# Altium PCB vme64x6U_ctrlc.PcbDoc (part 13 of 18) (continued)
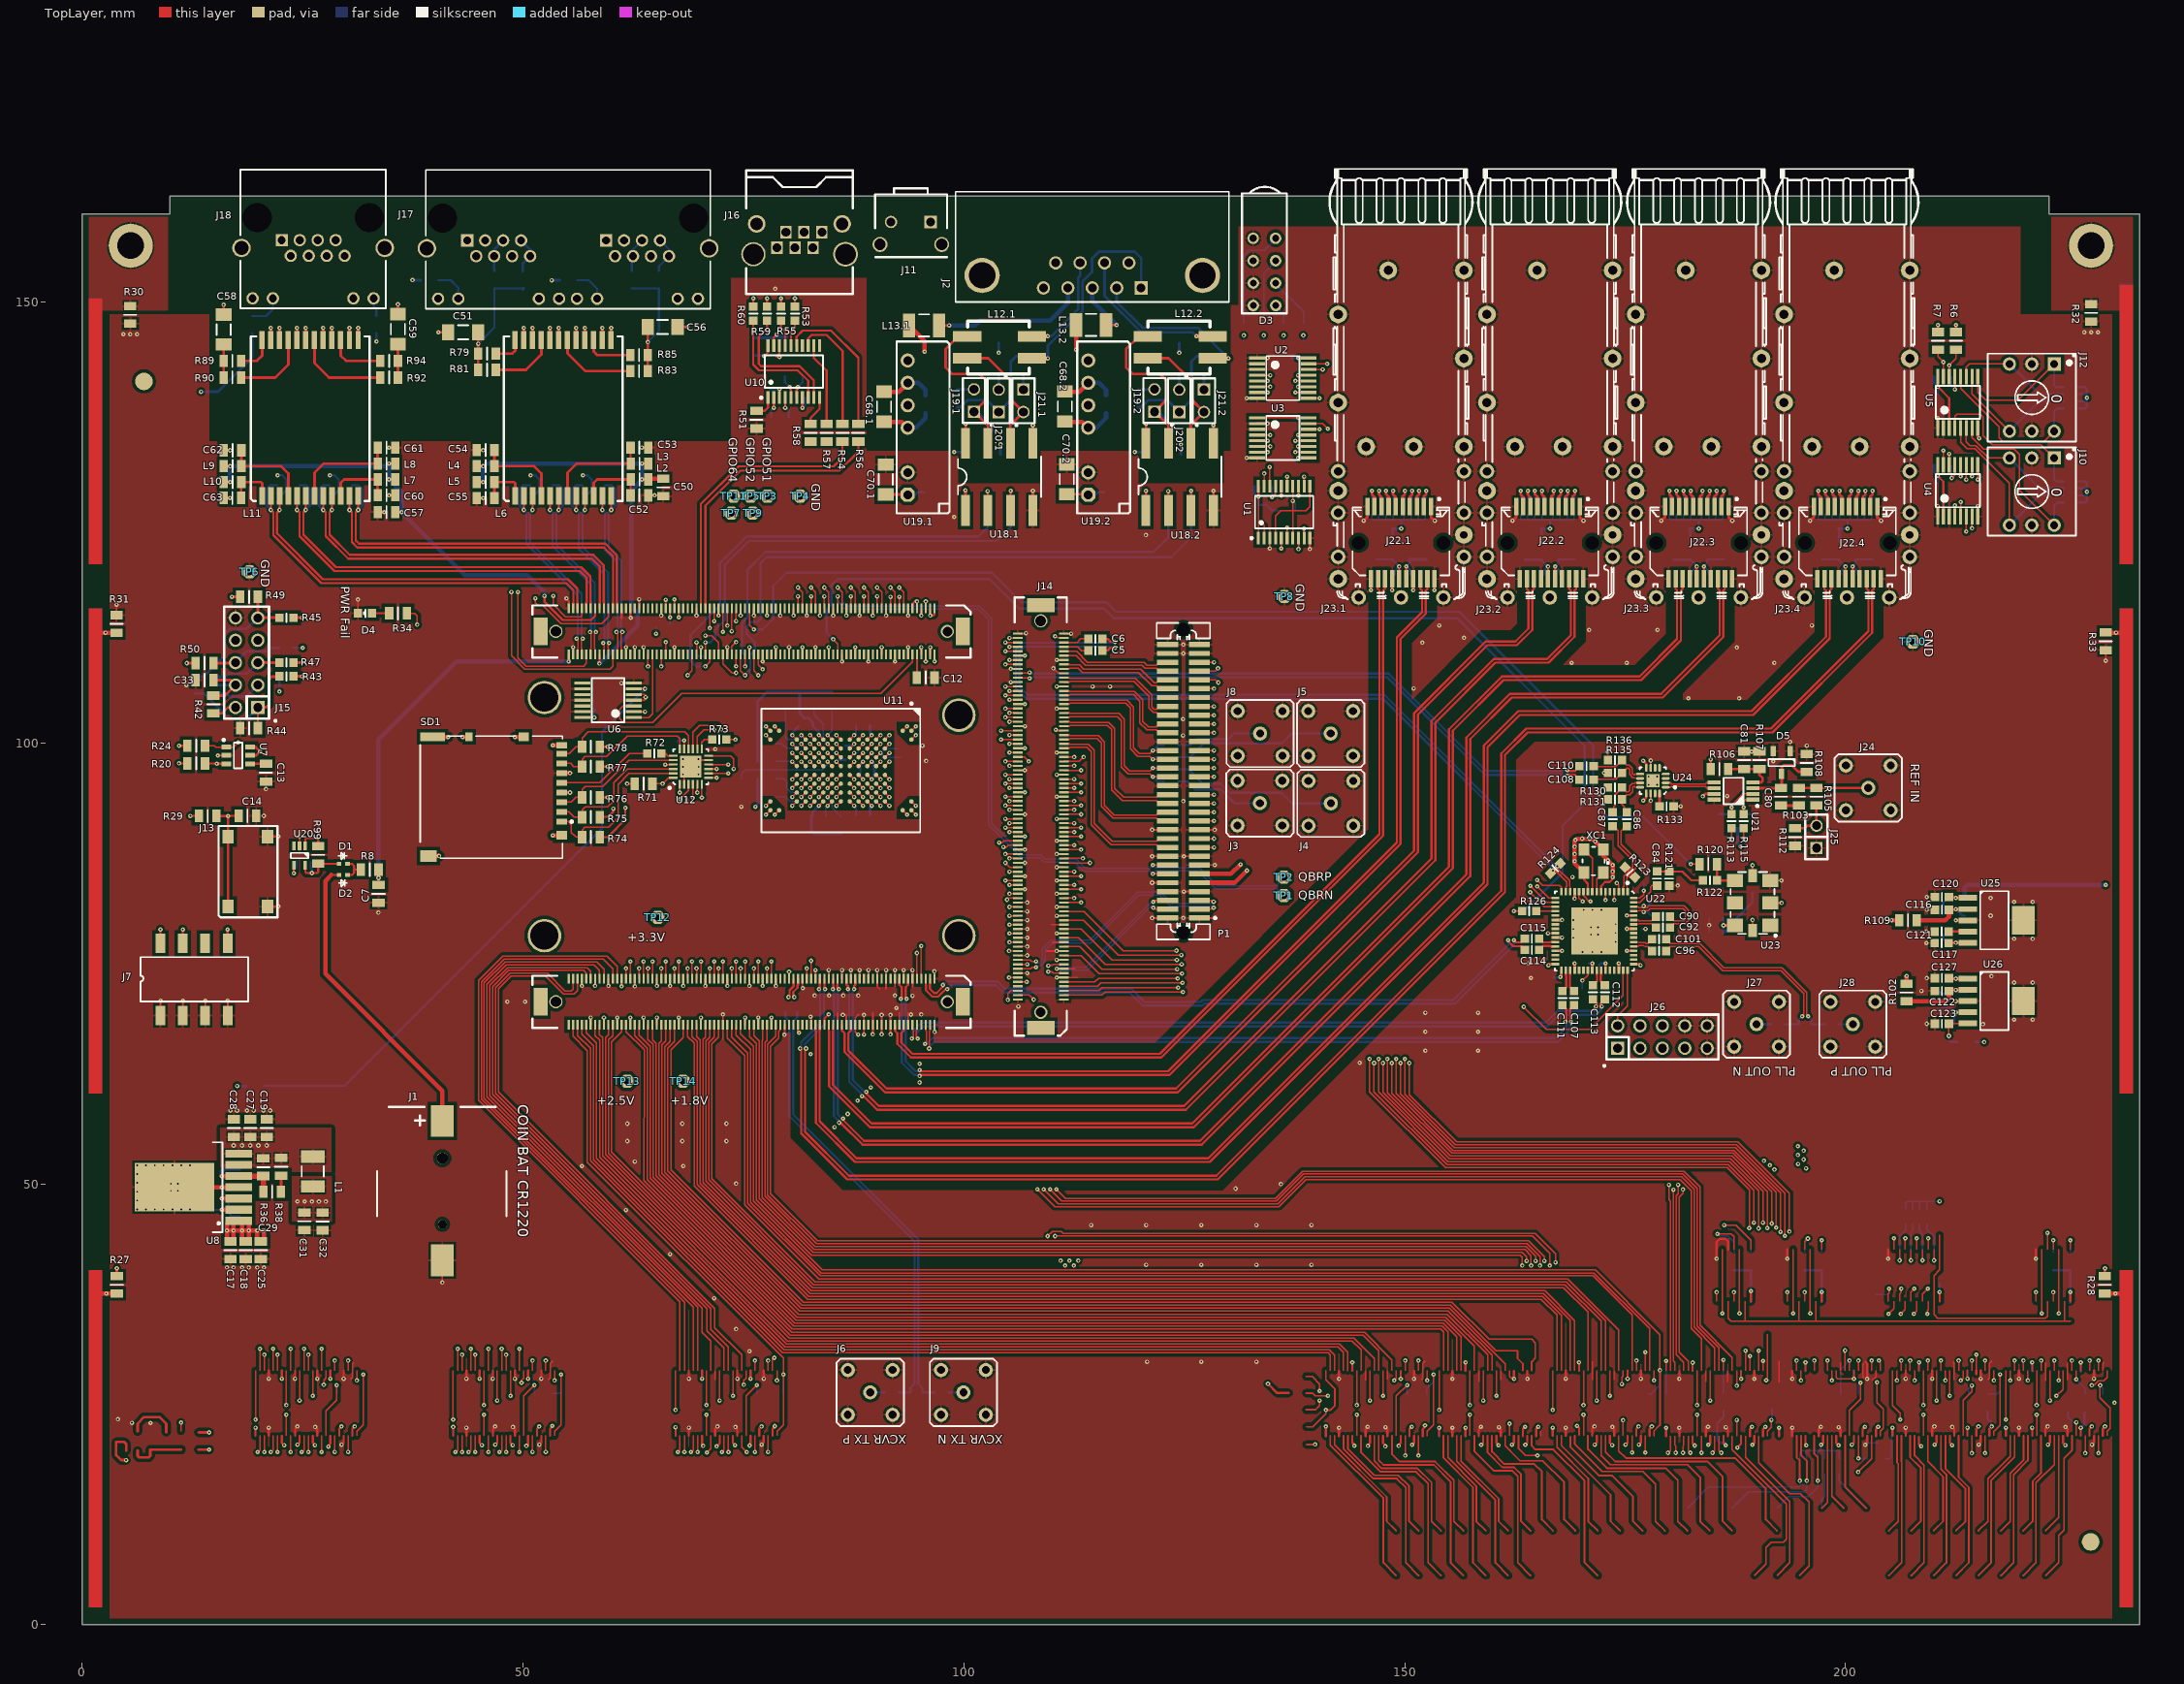
[diagram p0: TopLayer view]
## Nets (pads, with @x,y where several pads share a name; then routed paths per layer and width w, separated by ;. In a path a pad name is that pad's centre, name@x,y a point inside that pad or via, vN(x,y) a via of type N, cw(c..) or ccw(c..) an arc to the next point about the centre after c; other vN are vias at no path point) (continued)
  BottomLayer w0.25: 19.65,21.475 v1(19.65,22.35) ; v1(22.65,27.9) 22.65,28.65 ; v1(28.15,27.9) 28.15,28.65 ; 42.075,21.475 v1@42.075,22.35 ; v1(45.075,27.9) 45.075,28.65 ; v1(50.575,27.9) 50.575,28.65 ; C49.1@54.375,94.675 54.675,94.375 v1(55.325,94.375) ; 67.3,21.475 v1(67.3,22.4) ; C40.1@67.625,100.275 v1(68.275,100.275) ; v1(70.3,27.9) 70.3,28.65 ; v1(75.8,27.9) 75.8,28.65 ; v1(133.4,127.95) C1.1@133.4,127 134.325,127 134.95,126.375 R3.2@135.6,126.375 ; 141.05,21.45 v1@141.05,22.325 ; v1(144.05,29.75) 144.1,29.7 144.1,28.8 ; v1(149.55,27.875) 149.55,28.625 ; 149.605,125.175 v1(149.605,124.3) C73.1.2@148.55,124.3 148.655,124.195 L14.1.1@148.655,122.825 L15.1.1@150.53,122.825 ; 153.9,21.45 v1(153.9,22.325) ; 156.9,28.85 v1(156.9,29.75) ; v1(162.4,27.875) 162.4,28.625 ; 166.48,125.175 v1(166.48,124.3) C73.2.2@165.425,124.3 165.53,124.195 L14.2.1@165.53,122.825 L15.2.1@167.405,122.825 ; 166.775,21.475 v1(166.775,22.35) ; 169.775,28.85 v1(169.775,29.75) ; v1(175.275,27.9) 175.275,28.65 ; 179.65,21.45 v1(179.65,22.325) ; 182.65,28.825 v1(182.65,29.725) ; 183.355,125.175 v1(183.355,124.3) C73.3.2@182.3,124.3 182.405,124.195 L14.3.1@182.405,122.825 L15.3.1@184.28,122.825 ; 186.15,24.275 186.15,23.56 185.435,22.845 185.435,20.97 185.78,20.625 186.4,20.625 ; 187.325,40.2 189.275,40.2 189.275,36.6 ; v1(188.15,27.875) 188.15,28.625 ; 192.45,21.45 v1(192.45,22.325) ; 195.35,40.2 197.3,40.2 v1(197.3,37.725) 197.3,36.6 ; 195.45,28.75 195.5,28.8 ; 195.45,28.85 v1(195.45,29.75) ; 200.23,125.175 v1(200.23,124.3) 199.175,124.3 199.28,124.195 L14.4.1@199.28,122.825 L15.4.1@201.155,122.825 ; 200.875,28.8 200.95,28.875 ; v1(200.95,27.875) 200.95,28.625 ; 205.325,21.475 v1(205.325,22.35) ; 208.325,29 v1(208.325,29.75) ; v1(210.675,37.725) 210.675,38.7 ; v1(212.507,73.265) 212.792,73.55 C126.2@213.625,73.55 ; v1(213.825,27.9) 213.825,28.65 ; R104.2@214.7,66.075 v1(215.725,66.075) ; 216.1,24.175 216.1,23.375 216.5,22.975 v1@216.5,22.25 ; v1@218.175,22.475 v1(218.175,22.35) 218.175,21.475 218.2,21.45 ; v1(221.175,29.75) 221.175,28.875 221.275,28.775 ; 223.55,40.2 225.5,40.2 v1(225.5,37.725) 225.5,36.525 ; R17.8@226.425,127.275 227.2,127.275 227.375,127.45 227.375,128.1 ; R17.7@226.425,128.075 227.35,128.075 227.375,128.1 ; R17.6@226.425,128.875 227.35,128.875 227.375,128.9 ; R17.5@226.425,129.675 227.175,129.675 227.375,129.475 227.375,128.9 ; R21.8@226.425,137.95 227.2,137.95 227.375,138.125 227.375,138.775 ; R21.7@226.425,138.75 227.35,138.75 227.375,138.775 ; R21.6@226.425,139.55 227.35,139.55 227.375,139.575 ; R21.5@226.425,140.35 227.175,140.35 227.375,140.15 227.375,139.575 ; v1(226.675,22.35) 227.075,22.75 227.075,23.975 227.225,24.125 ; 226.675,28.65 v1(226.675,29.75) ; 227.375,128.1 v1(227.375,128.475) 227.375,128.9 ; 227.375,138.775 v1(227.375,139.15) 227.375,139.575
  BottomLayer w0.3: v1(13.475,139.825) 15.4,139.825 19.275,143.7 R91.1@19.275,146.4 ; U9.5@15.435,106.56 J15.4@17.38,106.56 ; C11.2@18.75,98.6 19.75,98.6 v1(20.175,99.025) ; v1(22.375,105.825) R46.2@22.375,107.125 ; v1(33.375,145.525) R93.1@33.375,146.45 ; v1(37.46,152.485) R80.1@38.385,152.485 ; v1(53.25,152.475) R86.1@54.175,152.475 ; R52.2@76.26,145.935 78.41,145.935 v1(78.785,146.31) ; v1(76.35,92.775) 76.6,93.025 R68.1@76.6,93.925 R67.1@76.6,95.925 ; R61.1@76.6,97.925 R65.1@76.6,99.925 76.6,104.725 77.65,105.775 R63.1@79.75,105.775 81.375,105.775 ; C48.1@82.7,91.775 82.7,90.025 83.05,89.675 R66.1@86.125,89.675 ; C48.1@82.85,91.775 82.85,92.175 v1(83.55,92.875) ; v1(83.55,100.875) 83.55,101.225 C46.1@82.875,101.9 82.875,102.3 82.35,102.825 81.875,102.825 81.375,103.325 81.375,105.775 ; R62.1@85.05,105.775 R64.1@83,105.775 81.375,105.775 ; C47.1@86.575,99.675 87.35,99.675 v1(87.55,99.875) ; C45.1@89.35,91.8 89.35,92.675 v1(89.55,92.875) ; C43.1@89.35,102 89.35,101.075 v1(89.55,100.875) ; v1(89.55,95.875) 89.85,96.175 C44.1@89.85,96.9 89.85,97.575 v1(89.55,97.875) ; C66.1.2@100.175,127.625 v1(100.175,128.65) ; C66.2.2@120.65,127.45 v1(120.65,128.6) ; R1.1@132.95,129.125 132.95,128.275 133.275,127.95 v1(133.4,127.95) ; C3.1@137.2,136.875 v1(137.92,136.875) 139.05,136.875 R5.2@139.1,136.925 ; C2.1@137.2,143.675 139.125,143.675 R4.2@139.15,143.7 ; C82.1@186.125,80.15 186.125,78.5 C83.1@186.175,78.45 186.4,78.675 R118.1@187.525,78.675 ; R110.1@187.075,90.325 187.763,90.325 ; R118.1@187.675,78.675 187.675,80.125 189.425,81.875 R119.1@189.425,83.025 ; v1(188.1,88.25) 187.763,88.587 187.763,90.325 ; R116.1@188.45,90.325 187.763,90.325 ; R2.1@210.025,131.5 210.025,130.725 v1(210.45,130.3) C4.1@210.45,129.575 ; R10.1@210.025,141.55 210.025,140.825 v1(210.45,140.4) C10.1@210.45,139.625
  BottomLayer w0.5: v1(78.785,146.31) 79.01,146.085 C38.2@79.86,146.085
  other v1: 78.55,22.525 53.325,22.55 26.85,47.98 27.625,47.98 24.425,48.005 25.225,48.005 26.06,47.99
+3V3MOD: C15.2 J14.A26 J14.A29 J14.A50 J14.A86 J14.B55 J14.B79 J14.B115 J14.B127 J14.B152 J14.B155 J14.C96 J14.C103 J14.C136 J14.C143 TP12.1 U6.14 | length 13.7
  TopLayer w0.15: J14.B55@83.175,73.25 v1(83.175,74.25) ; J14.C96@106.125,94.4 v1(106.925,94.4) ; J14.C136@106.125,104.4 v1(106.925,104.4) ; v1(110.525,96.4) J14.C103@111.325,96.4 ; v1(110.525,106.4) J14.C143@111.325,106.4
  TopLayer w0.2: v1(58.175,72.45) J14.B155@58.175,73.25 ; J14.B152@59.175,68.05 v1(59.175,68.85) ; v1(65.175,72.45) J14.B127@65.175,73.25 ; v1(68.175,72.45) J14.B115@68.175,73.25 ; J14.A86@75.675,110.05 v1(75.675,110.85) ; v1(77.175,72.45) J14.B79@77.175,73.25 ; J14.A50@84.675,110.05 v1(84.675,110.85) ; v1(89.675,114.45) J14.A29@89.675,115.25 ; J14.A26@90.675,110.05 v1(90.675,110.85)
  TopLayer w0.25: U6.14@56.72,102.89 v1(58.09,102.89)
  BottomLayer w0.25: v1(58.09,102.89) C15.2@58.09,103.8
+5V_CAN_U_can_phy1: C65.1.2 C67.1.2 C68.1.2 U18.1.8 U19.1.6 | length 9.5
  TopLayer w0.3: U18.1.8@100.175,133.975 100.2,134 v1(100.2,136.175)
  TopLayer w0.5: C68.1.2@90.95,139.825 92.614,139.825 U19.1.6@93.624,140.835
  BottomLayer w0.3: C67.1.2@100.2,135 v1(100.2,136.175)
  BottomLayer w0.5: U19.1.6@93.624,140.835 94.84,140.835 95.65,140.025 C65.1.2@95.65,139.4
+5V_CAN_U_can_phy2: C65.2.2 C67.2.2 C68.2.2 U18.2.8 U19.2.6 | length 9.5
  TopLayer w0.3: U18.2.8@120.65,133.975 120.675,134 v1(120.675,136.175)
  TopLayer w0.5: C68.2.2@111.425,139.825 113.089,139.825 U19.2.6@114.099,140.835
  BottomLayer w0.3: C67.2.2@120.675,135 v1(120.675,136.175)
  BottomLayer w0.5: U19.2.6@114.099,140.835 115.315,140.835 116.125,140.025 C65.2.2@116.125,139.4
+5VME: C17.1 C18.1 C22.2 C23.2 C24.2 C25.2 C69.1.2 C69.2.2 C70.1.2 C70.2.2 C119.2 C120.2 J14.A1 J14.A2 J14.A3 J14.A4 J14.A5 J14.A6 J14.A7 J14.A8 J14.A9 J14.A11 R114.2 U8.1 U19.1.1 U19.2.1 U25.1 | length 60.5
  TopLayer w0.2: J14.A9@94.675,115.25 v1(94.675,116.05) ; J14.A8@95.175,110.05 v1(95.175,110.85) ; v1(95.175,114.45) J14.A7@95.175,115.25 ; v1(95.675,109.25) J14.A6@95.675,110.05 ; J14.A5@95.675,115.25 v1(95.675,116.05) ; J14.A4@96.175,110.05 v1(96.175,110.85) ; v1(96.175,114.45) J14.A3@96.175,115.25 ; v1(96.675,109.25) J14.A2@96.675,110.05
  TopLayer w0.25: J14.A11@94.175,115.25 94.175,115.775 94.45,116.05 v1(94.675,116.05) ; v1(96.175,114.45) 96.525,114.45 96.675,114.6 J14.A1@96.675,115.25
  TopLayer w0.3: C70.1.2@91.15,128.175 93.584,128.175 U19.1.1@93.624,128.135 ; C70.2.2@111.675,128.2 114.034,128.2 U19.2.1@114.099,128.135 ; C120.2@211.725,82.525 212.507,82.525 v1(212.507,82.423) U25.1@213.875,82.423
  TopLayer w0.5: C17.1@16.41,43.485 v1(16.41,44.71) 16.41,45.585 U8.1@16.61,45.785 ; C17.1@17.16,43.485 v1(17.16,44.71) U8.1@17.16,45.585 ; C18.1@18.135,43.485 v1(18.135,44.71) U8.1@18.135,45.66 ; C18.1@18.885,43.485 v1(18.885,44.71) U8.1@18.885,45.685 ; C25.2@19.86,43.485 v1(19.86,44.71) ; C25.2@20.61,43.485 v1(20.61,44.71)
  BottomLayer w0.25: R114.2@211.05,80.725 211.05,81.825 211.648,82.423 v1(212.507,82.423)
  BottomLayer w0.3: U19.1.1@93.624,128.135 94.435,128.135 94.725,128.425 C69.1.2@95.45,128.425 ; U19.2.1@114.099,128.135 114.91,128.135 115.2,128.425 C69.2.2@115.925,128.425 ; v1(212.507,82.423) 212.522,82.408 C119.2@213.525,82.408
  BottomLayer w0.5: v1(16.41,44.71) 16.41,43.885 C24.2@16.81,43.485 17.16,43.835 v1(17.16,44.71) ; v1(18.135,44.71) 18.135,43.885 C22.2@18.535,43.485 18.885,43.835 v1(18.885,44.71) ; v1(19.86,44.71) 19.86,43.885 C23.2@20.26,43.485 20.61,43.835 v1(20.61,44.71) ; C119.2@213.525,82.408 213.525,83.6 213.825,83.9 v1(229.5,83.9)
+5VSTBY: C71.2 U20.4 | length 211.2
  TopLayer w0.25: v1(24,85.225) U20.4@24,86.125
  MidLayer3 w0.5: v1(24,85.225) 24,76.05 13.55,65.6 13.55,17.5 14.95,16.1 135.625,16.1 142.3,9.425 145.185,9.425 146.49,8.12
  BottomLayer w0.25: v1(24,85.225) 24,85.6 24.3,85.9 C71.2@24.3,86.55
AQ1_N: C110.1 R136.2 U24.9 | length 6.6
  TopLayer w0.15: C110.1@171.425,97.325 173.925,97.325 R136.2@174.65,98.05 174.725,97.975 174.725,97.95 175.2,97.475 175.485,97.475 175.825,97.135 175.825,96.562 176,96.387 176.088,96.387 176.175,96.475 U24.9@176.7,96.475
AQ1_P: C108.1 R135.2 U24.10 | length 6.6
  TopLayer w0.15: C108.1@171.425,95.875 173.925,95.875 R135.2@174.65,96.6 175.2,97.15 175.35,97.15 175.5,97 175.5,96.428 175.865,96.062 176.088,96.062 176.175,95.975 U24.10@176.7,95.975
BaseAddr0: J10.1 R17.4 U5.4 | length 19.5
  TopLayer w0.15: U5.4@212.4,135.705 212.4,137.05 212.65,137.3 215.25,137.3 215.6,136.95 215.6,134.85 216.622,133.828 222.157,133.828 J10.1@223.665,132.32
  BottomLayer w0.25: J10.1@223.665,132.295 223.665,129.91 223.9,129.675 R17.4@224.725,129.675
BaseAddr1: J10.2 R17.2 U5.5 | length 21.4
  TopLayer w0.15: U5.5@213.05,135.705 213.05,134.1 213.775,133.375 214.672,133.375 218.585,129.462 J10.2@218.585,124.7
  BottomLayer w0.25: J10.2@218.585,124.675 221.985,128.075 R17.2@224.725,128.075
BaseAddr2: J10.4 R17.3 U5.6 | length 14.8
  TopLayer w0.15: U5.6@213.7,135.705 213.7,134.125 214.1,133.725 214.775,133.725 216.18,132.32 J10.4@218.585,132.32
  BottomLayer w0.25: J10.4@218.585,132.295 222.005,128.875 R17.3@224.725,128.875
BaseAddr3: J10.8 R17.1 U5.7 | length 20.4
  TopLayer w0.15: U5.7@214.35,135.705 214.35,134.625 215.65,133.325 219.125,133.325 219.725,132.725 219.725,128.64 J10.8@223.665,124.7
  BottomLayer w0.25: J10.8@223.665,124.675 223.665,126.94 224,127.275 R17.1@224.725,127.275
BaseAddr4: J12.1 R21.4 U5.9 | length 16.1
  TopLayer w0.15: U5.9@215,141.545 215,139.775 215.925,138.85 219.545,138.85 J12.1@223.665,142.97
  BottomLayer w0.25: J12.1@223.665,142.97 223.665,140.585 223.9,140.35 R21.4@224.725,140.35
BaseAddr5: J12.2 R21.2 U5.10 | length 15.5
  TopLayer w0.15: U5.10@214.35,141.545 214.35,139.585 J12.2@218.585,135.35
  BottomLayer w0.25: J12.2@218.585,135.35 221.985,138.75 R21.2@224.725,138.75
BaseAddr6: J12.4 R21.3 U5.11 | length 13.6
  TopLayer w0.15: U5.11@213.7,141.545 213.7,142.6 214.07,142.97 J12.4@218.585,142.97
  BottomLayer w0.25: J12.4@218.585,142.97 222.005,139.55 R21.3@224.725,139.55
BaseAddr7: J12.8 R21.1 U5.12 | length 19.1
  TopLayer w0.15: U5.12@213.05,141.545 213.05,140.2 217.4,135.85 217.4,134.625 217.825,134.2 222.515,134.2 J12.8@223.665,135.35
  BottomLayer w0.25: J12.8@223.665,135.35 223.665,137.615 224,137.95 R21.1@224.725,137.95
BOOT_MODE0: J7.7 J14.A126 | length 73.7
  TopLayer w0.15: v1(65.675,108.675) J14.A126@65.675,110.05
  TopLayer w0.25: J7.7@11.41,77.275 v1(11.41,78.845)
  MidLayer3 w0.15: v1(11.41,78.845) 11.41,81.064 32.771,102.425 57.855,102.425 57.885,102.395 64.145,102.395 65.675,103.925 v1(65.675,108.675)
BOOT_MODE1: J7.8 J14.A112 | length 79.3
  TopLayer w0.15: v1(68.675,107.675) 69.175,108.175 J14.A112@69.175,110.05
  TopLayer w0.25: J7.8@8.87,77.275 v1(8.87,78.845)
  MidLayer3 w0.15: v1(8.87,78.845) 9.715,78 12.125,78 12.825,78.7 12.825,81.807 32.968,101.95 64.45,101.95 66.45,103.95 66.45,105.45 v1(68.675,107.675)
CAN0_G: J2.3 L13.2.1 | length 6.3
  TopLayer w0.3: L13.2.1@116.125,147.4 v1(117.325,147.4)
  BottomLayer w0.5: J2.3@114.565,151.32 114.565,150.16 v1(117.325,147.4)
CAN0_H: J2.7 L12.2.1 | length 17.6
  TopLayer w0.5: v1(126.375,146.125) L12.2.1@128.175,146.125
  BottomLayer w0.3: J2.7@115.95,154.16 115.95,150.693 120.068,146.575 125.925,146.575 v1(126.375,146.125)
CAN0_L: J2.2 L12.2.4 | length 18.4
  TopLayer w0.5: L12.2.4@128.2,143.625 v1(130,143.625)
  BottomLayer w0.3: J2.2@117.335,151.32 117.335,150.015 120.275,147.075 126.55,147.075 v1(130,143.625)
CAN0_RX: J14.A88 R96.2.2 | length 64.2
  TopLayer w0.15: v1(75.175,108.675) J14.A88@75.175,110.05
  BottomLayer w0.25: v1(75.175,108.675) 75.175,109.975 74.85,110.3 74.85,113.625 75.45,114.225 75.45,119.612 77.513,121.675 121.525,121.675 123.175,123.325 R96.2.2@123.175,125.55
CAN0_TX: J14.A90 R98.2.2 | length 69.5
  TopLayer w0.15: J14.A90@74.675,110.05 74.675,108.175 v1(75.175,107.675)
  BottomLayer w0.25: v1(75.175,107.675) 75.775,108.275 75.775,109.975 76.3,110.5 76.3,111.425 75.375,112.35 75.375,113.175 75.925,113.725 76.6,113.725 76.925,114.05 76.925,120.375 77.625,121.075 123.525,121.075 125.775,123.325 R98.2.2@125.775,125.6
CAN1_G: J2.4 L13.1.1 | length 17.1
  TopLayer w0.3: L13.1.1@97.175,147.35 v1(98.325,147.35)
  BottomLayer w0.5: v1(98.325,147.35) 101.275,147.35 101.825,147.9 109.775,147.9 111.795,149.92 J2.4@111.795,151.32
CAN1_H: J2.8 L12.1.1 | length 11.8
  TopLayer w0.5: L12.1.1@107.725,146.125 v1(109.525,146.125)
  BottomLayer w0.3: v1(109.525,146.125) 109.9,146.125 112.95,149.175 112.95,152.725 113.18,152.955 J2.8@113.18,154.44
CAN1_L: J2.1 L12.1.4 | length 25.1
  TopLayer w0.5: L12.1.4@107.725,143.625 v1(109.525,143.625)
  BottomLayer w0.3: v1(109.525,143.625) 109.525,145.043 113.45,148.968 113.45,152.325 114.525,153.4 114.525,154.925 115.325,155.725 119.375,155.725 120.105,154.995 J2.1@120.105,151.6 J2.1@120.105,151.32
CAN1_RX: J14.A104 R96.1.2 | length 49.1
  TopLayer w0.15: v1(70.675,108.675) 71.175,109.175 J14.A104@71.175,110.05
  BottomLayer w0.25: v1(70.675,108.675) 69.65,108.675 69,109.325 69,112.275 72.325,115.6 72.325,120.367 75.383,123.425 101.675,123.425 102.7,124.45 R96.1.2@102.7,125.55
CAN1_TX: J14.A106 R98.1.2 | length 46.7
  TopLayer w0.15: J14.A106@70.675,110.05 v1(70.675,111.4)
  BottomLayer w0.25: v1(70.675,111.4) 71.2,111.4 71.775,111.975 71.775,112.825 72.9,113.95 72.9,120.2 75.6,122.9 103.7,122.9 105.3,124.5 R98.1.2@105.3,125.6
CAN_GND_U_can_phy1: C64.1.1 C65.1.1 C67.1.1 C68.1.1 L13.1.2 U17.1.3 U18.1.5 U19.1.4 | length 15.2
  TopLayer w0.3: U18.1.5@107.825,133.95 U18.1.5@107.825,133.975 v1@107.825,135.975
  TopLayer w0.5: C68.1.1@90.95,136.425 92.954,136.425 U19.1.4@93.624,135.755 ; L13.1.2@93.775,147.35 95.55,145.575 v1(95.55,144.375)
  BottomLayer w0.3: v1(98.9,133) C67.1.1@100.2,133 ; v1(103.95,144.25) C64.1.1@103.95,145.325 ; U17.1.3@104.15,132.725 v1(104.15,133.85)
  BottomLayer w0.5: U19.1.4@93.624,135.755 94.555,135.755 95.65,136.85 C65.1.1@95.65,137.4
  other v1: 107.825,136.025
CAN_GND_U_can_phy2: C64.2.1 C65.2.1 C67.2.1 C68.2.1 L13.2.2 U17.2.3 U18.2.5 U19.2.4 | length 14.3
  TopLayer w0.3: U18.2.5@128.3,133.95 U18.2.5@128.3,133.975 v1@128.3,135.975
  TopLayer w0.5: C68.2.1@111.425,136.425 113.429,136.425 U19.2.4@114.099,135.755 ; v1(112.725,144.6) L13.2.2@112.725,147.4
  BottomLayer w0.3: v1(119.375,133) C67.2.1@120.675,133 ; v1(124.425,144.25) C64.2.1@124.425,145.325 ; U17.2.3@124.625,132.725 v1(124.625,133.85)
  BottomLayer w0.5: U19.2.4@114.099,135.755 115.03,135.755 116.125,136.85 C65.2.1@116.125,137.4
  other v1: 128.3,136.025
ChasisGND: R27.2 | length 3.4
  TopLayer w0.5: 1.8,37.55 v1(2.725,37.55) R27.2@3.925,37.55
  BottomLayer w0.5: 1.475,37.55 v1(2.725,37.55)
ChasisGND_T: R28.2 | length 3.4
  TopLayer w0.5: R28.2@229.425,37.55 231.55,37.55
  BottomLayer w0.5: v1(230.6,37.55) 231.85,37.55
CMP_CLK_N: U21.5 U24.2 | length 5.6
  TopLayer w0.15: U24.2@179.6,95.475 180.125,95.475 180.238,95.362 184.113,95.362 184.275,95.525 U21.5@185.1,95.525
CMP_CLK_P: U21.6 U24.1 | length 5.6
  TopLayer w0.15: U24.1@179.6,94.975 180.125,94.975 180.188,95.037 184.113,95.037 184.275,94.875 U21.6@185.1,94.875
CMP_REF: C81.1 R106.1 R107.2 U21.4 | length 6.2
  TopLayer w0.3: R106.1@186.7,97.05 C81.1@188.5,97.05 R107.2@190.225,97.05 190.225,96.375 190.6,96 190.6,95.7 190.425,95.525 U21.4@189.5,95.525
CMP_SIG: C80.1 D5.3 R108.1 U21.3 | length 8.8
  TopLayer w0.3: U21.3@189.5,94.875 192.65,94.875 C80.1@192.675,94.9 192.75,94.975 D5.3@192.75,96.475 192.75,97.225 193,97.475 193.9,97.475 194.65,96.725 R108.1@195.6,96.725
COM_CTS_DEV_O: R60.1 U10.8 | length 13.9
  TopLayer w0.25: R60.1@76.11,147.903 76.11,142.91 76.76,142.26 81.135,142.26 82.335,141.06 U10.8@82.335,139.16
COM_RTS_DEV_I: R59.1 U10.9 | length 14.3
  TopLayer w0.25: R59.1@77.685,147.903 77.685,147.06 76.73,146.105 76.73,142.993 76.993,142.73 81.393,142.73 82.985,141.138 U10.9@82.985,139.16
COM_RX_DEV_O: R55.1 U10.17 | length 3
  TopLayer w0.25: R55.1@79.26,147.903 79.26,147.11 79.735,146.635 U10.17@79.735,145.06
COM_TX_DEV_I: R53.1 U10.16 | length 3
  TopLayer w0.25: U10.16@80.385,145.06 80.385,146.61 80.835,147.06 R53.1@80.835,147.903
EMMC_CLK: R73.2 U11.P6 | length 14.4
  TopLayer w0.15: R73.2@73.05,100.375 v1(74.1,100.375) ; v1(80.55,95.875) U11.P6@81.05,96.375
  MidLayer3 w0.15: v1(74.1,100.375) 72.725,99 72.725,96.25 72.995,95.98 76.395,95.98 76.5,95.875 v1(80.55,95.875)
EMMC_CMD: R61.2 U11.P5 U12.12 | length 13.8
  TopLayer w0.15: U12.12@71.025,98.55 73.525,98.55 73.9,98.175 v1(73.9,97.05) ; v1(80.55,97.875) U11.P5@81.05,97.375
  MidLayer3 w0.15: v1(73.9,97.05) 76.575,97.05 77.4,97.875 v1(80.55,97.875)
  BottomLayer w0.15: R61.2@78.6,97.925 80.5,97.925 v1(80.55,97.875)
EMMC_D0: R62.2 U11.K2 U12.14 | length 21.1
  TopLayer w0.15: U12.14@69.775,99.3 69.775,100.725 70.525,101.475 v1(71.675,101.475) ; v1(84.55,100.875) U11.K2@85.05,100.375
  MidLayer3 w0.15: v1(71.675,101.475) 72.325,102.125 73.925,102.125 74.675,101.375 84.05,101.375 v1(84.55,100.875)
  BottomLayer w0.15: v1(84.55,100.875) 85.05,101.375 R62.2@85.05,103.775
EMMC_D1: R63.2 U11.N2 U12.15 | length 21.3
  TopLayer w0.15: U12.15@69.275,99.3 69.275,101.225 70.05,102 72.025,102 v1(72.5,101.525) ; v1(81.55,100.875) U11.N2@82.05,100.375
  MidLayer3 w0.15: v1(72.5,101.525) 72.9,101.125 74.275,101.125 75.025,100.375 81.05,100.375 v1(81.55,100.875)
  BottomLayer w0.15: R63.2@79.75,103.775 79.75,100.7 80.075,100.375 81.05,100.375 v1(81.55,100.875)
EMMC_D2: R64.2 U11.K3 U12.8 | length 21.2
  TopLayer w0.15: U12.8@71.025,96.55 v1(73.275,96.55) ; v1(84.55,99.875) U11.K3@85.05,99.375
  MidLayer3 w0.15: v1(73.275,96.55) 76.625,96.55 77.45,97.375 83.875,97.375 84.062,97.562 84.062,97.662 84.055,97.67 84.055,99.38 v1(84.55,99.875)
  BottomLayer w0.15: R64.2@83,103.775 83,103.175 84.045,102.13 84.045,100.38 v1(84.55,99.875)
EMMC_D3: R65.2 U11.N3 U12.10 | length 15.6
  TopLayer w0.15: U12.10@71.025,97.55 v1(73.275,97.55) ; v1(81.55,99.875) U11.N3@82.05,99.375
  MidLayer3 w0.15: v1(73.275,97.55) 76.55,97.55 78.375,99.375 81.05,99.375 v1(81.55,99.875)
  BottomLayer w0.15: R65.2@78.6,99.925 79.4,99.925 79.945,99.38 81.055,99.38 v1(81.55,99.875)
EMMC_D4: R66.2 U11.K8 | length 3.6
  TopLayer w0.15: v1(84.55,93.875) U11.K8@85.05,94.375
  BottomLayer w0.15: v1(84.55,93.875) 85.05,93.375 85.05,92.675 86.05,91.675 R66.2@86.125,91.675
EMMC_D5: R67.2 U11.N8 | length 5
  TopLayer w0.15: v1(81.55,93.875) U11.N8@82.05,94.375
  BottomLayer w0.15: R67.2@78.6,95.925 79.6,95.925 79.9,95.625 79.9,94.825 80.345,94.38 81.045,94.38 v1(81.55,93.875)
EMMC_D6: R68.2 U11.N9 | length 4.1
  TopLayer w0.15: v1(81.55,92.875) U11.N9@82.05,93.375
  BottomLayer w0.15: R68.2@78.6,93.925 79.775,93.925 80.325,93.375 81.05,93.375 v1(81.55,92.875)
EMMC_D7: R69.2 U11.K9 | length 2
  TopLayer w0.15: v1(84.55,92.875) U11.K9@85.05,93.375
  BottomLayer w0.15: R69.2@84.325,91.675 84.325,92.65 v1(84.55,92.875)
EMMC_DS: R70.2 U11.K5 | length 11.9
  TopLayer w0.15: v1(84.55,97.875) U11.K5@85.05,97.375
  BottomLayer w0.15: R70.2@74.75,95.875 74.75,96.475 75.225,96.95 83.925,96.95 84.55,97.575 v1(84.55,97.875)
EMMC_RFU1: U11.A1 | length 0.7
  TopLayer w0.15: U11.A1@94.05,101.375 v1(94.55,101.875)
EMMC_RFU2: U11.A2 | length 0.7
  TopLayer w0.15: U11.A2@94.05,100.375 v1(94.55,100.875)
EMMC_RFU3: U11.A9 | length 0.7
  TopLayer w0.15: U11.A9@94.05,93.375 v1(94.55,92.875)
EMMC_RFU4: U11.A10 | length 0.7
  TopLayer w0.15: U11.A10@94.05,92.375 v1(94.55,91.875)
EMMC_RFU5: U11.B1 | length 0.7
  TopLayer w0.15: U11.B1@93.05,101.375 v1(93.55,101.875)
EMMC_RFU6: U11.B10 | length 0.7
  TopLayer w0.15: U11.B10@93.05,92.375 v1(93.55,91.875)
EMMC_RFU7: U11.T1 | length 0.7
  TopLayer w0.15: v1(78.55,101.875) U11.T1@79.05,101.375
EMMC_RFU8: U11.T10 | length 0.7
  TopLayer w0.15: v1(78.55,91.875) U11.T10@79.05,92.375
EMMC_RFU9: U11.U1 | length 0.7
  TopLayer w0.15: v1(77.55,101.875) U11.U1@78.05,101.375
EMMC_RFU10: U11.U2 | length 0.7
  TopLayer w0.15: v1(77.55,100.875) U11.U2@78.05,100.375
EMMC_RFU11: U11.U9 | length 0.7
  TopLayer w0.15: v1(77.55,92.875) U11.U9@78.05,93.375
EMMC_RFU12: U11.U10 | length 0.7
  TopLayer w0.15: v1(77.55,91.875) U11.U10@78.05,92.375
EMMC_RFU13: U11.D2 | length 0.7
  TopLayer w0.15: U11.D2@91.05,100.375 v1(91.55,100.875)
EMMC_RFU14: U11.D3 | length 0.7
  TopLayer w0.15: U11.D3@91.05,99.375 v1(91.55,99.875)
EMMC_RFU15: U11.D4 | length 0.7
  TopLayer w0.15: U11.D4@91.05,98.375 v1(91.55,98.875)
EMMC_RFU16: U11.D5 | length 0.7
  TopLayer w0.15: U11.D5@91.05,97.375 v1(91.55,97.875)
EMMC_RFU17: U11.D6 | length 0.7
  TopLayer w0.15: U11.D6@91.05,96.375 v1(91.55,95.875)
EMMC_RFU18: U11.D7 | length 0.7
  TopLayer w0.15: U11.D7@91.05,95.375 v1(91.55,94.875)
EMMC_RFU19: U11.D8 | length 0.7
  TopLayer w0.15: U11.D8@91.05,94.375 v1(91.55,93.875)
EMMC_RFU20: U11.D9 | length 0.7
  TopLayer w0.15: U11.D9@91.05,93.375 v1(91.55,92.875)
EMMC_RFU21: U11.E2 | length 0.7
  TopLayer w0.15: U11.E2@90.05,100.375 v1(90.55,100.875)
EMMC_RFU22: U11.E3 | length 0.7
  TopLayer w0.15: U11.E3@90.05,99.375 v1(90.55,99.875)
EMMC_RFU23: U11.E5 | length 0.7
  TopLayer w0.15: U11.E5@90.05,97.375 v1(90.55,97.875)
EMMC_RFU24: U11.E6 | length 0.7
  TopLayer w0.15: U11.E6@90.05,96.375 v1(90.55,95.875)
EMMC_RFU25: U11.E7 | length 0.7
  TopLayer w0.15: U11.E7@90.05,95.375 v1(90.55,94.875)
EMMC_RFU26: U11.E8 | length 0.7
  TopLayer w0.15: U11.E8@90.05,94.375 v1(90.55,93.875)
EMMC_RFU27: U11.E9 | length 0.7
  TopLayer w0.15: U11.E9@90.05,93.375 v1(90.55,92.875)
EMMC_RFU28: U11.H5 | length 0.7
  TopLayer w0.15: U11.H5@87.05,97.375 v1(87.55,97.875)
EMMC_RFU29: U11.H6 | length 0.7
  TopLayer w0.15: U11.H6@87.05,96.375 v1(87.55,95.875)
EMMC_RFU30: U11.H7 | length 0.7
  TopLayer w0.15: U11.H7@87.05,95.375 v1(87.55,94.875)
EMMC_RFU31: U11.J2 | length 0.7
  TopLayer w0.15: v1(85.55,100.875) U11.J2@86.05,100.375
EMMC_RFU32: U11.J3 | length 0.7
  TopLayer w0.15: v1(85.55,99.875) U11.J3@86.05,99.375
EMMC_RFU33: U11.J4 | length 0.7
  TopLayer w0.15: v1(85.55,98.875) U11.J4@86.05,98.375
EMMC_RFU34: U11.J6 | length 0.7
  TopLayer w0.15: v1(85.55,95.875) U11.J6@86.05,96.375
EMMC_RFU35: U11.J7 | length 0.7
  TopLayer w0.15: v1(85.55,94.875) U11.J7@86.05,95.375
EMMC_RFU36: U11.J8 | length 0.7
  TopLayer w0.15: v1(85.55,93.875) U11.J8@86.05,94.375
EMMC_RFU37: U11.J9 | length 0.7
  TopLayer w0.15: v1(85.55,92.875) U11.J9@86.05,93.375
EMMC_RFU38: U11.K4 | length 0.7
  TopLayer w0.15: v1(84.55,98.875) U11.K4@85.05,98.375
EMMC_RFU39: U11.K6 | length 0.7
  TopLayer w0.15: v1(84.55,95.875) U11.K6@85.05,96.375
EMMC_RFU40: U11.K7 | length 0.7
  TopLayer w0.15: v1(84.55,94.875) U11.K7@85.05,95.375
EMMC_RFU41: U11.L5 | length 0.7
  TopLayer w0.15: v1(83.55,97.875) U11.L5@84.05,97.375
EMMC_RFU42: U11.L6 | length 0.7
  TopLayer w0.15: v1(83.55,95.875) U11.L6@84.05,96.375
EMMC_RFU43: U11.M2 | length 0.7
  TopLayer w0.15: v1(82.55,100.875) U11.M2@83.05,100.375
EMMC_RFU44: U11.M3 | length 0.7
  TopLayer w0.15: v1(82.55,99.875) U11.M3@83.05,99.375
EMMC_RFU45: U11.M6 | length 0.7
  TopLayer w0.15: v1(82.55,95.875) U11.M6@83.05,96.375
EMMC_RFU46: U11.M8 | length 0.7
  TopLayer w0.15: v1(82.55,93.875) U11.M8@83.05,94.375
EMMC_RFU47: U11.M9 | length 0.7
  TopLayer w0.15: v1(82.55,92.875) U11.M9@83.05,93.375
EMMC_RFU48: U11.N4 | length 0.7
  TopLayer w0.15: v1(81.55,98.875) U11.N4@82.05,98.375
EMMC_RFU49: U11.N5 | length 0.7
  TopLayer w0.15: v1(81.55,97.875) U11.N5@82.05,97.375
EMMC_RFU50: U11.N6 | length 0.7
  TopLayer w0.15: v1(81.55,95.875) U11.N6@82.05,96.375
EMMC_RFU51: U11.N7 | length 0.7
  TopLayer w0.15: v1(81.55,94.875) U11.N7@82.05,95.375
EMMC_RFU52: U11.P4 | length 0.7
  TopLayer w0.15: v1(80.55,98.875) U11.P4@81.05,98.375
EMMC_RFU53: U11.P7 | length 0.7
  TopLayer w0.15: v1(80.55,94.875) U11.P7@81.05,95.375
EMMC_RFU54: U11.H4 | length 0.7
  TopLayer w0.15: U11.H4@87.05,98.375 v1(87.55,98.875)
EN_3V3: R35.2 U6.6 | length 69.6
  TopLayer w0.15: U6.6@62.56,106.14 v1(63.84,106.14)
  BottomLayer w0.25: R35.2@20.6,61.125 29.775,61.125 58.95,90.3 58.95,101.25 v1(63.84,106.14)
ETH0_A_N: J14.A163 L11.3 U15.1 | length 44.3
  TopLayer w0.25: L11.3@22.39,128 v1(22.39,126.425) 22.108,126.143 22.108,123.744 27.301,118.55 55.101,118.55 56.138,117.514 56.138,115.962 56.175,115.925 J14.A163@56.175,115.25
  BottomLayer w0.25: U15.1@22.08,127.335 22.39,127.025 v1(22.39,126.425)
ETH0_A_P: J14.A165 L11.2 U15.3 | length 47.2
  TopLayer w0.25: L11.2@21.4,128 v1(21.4,126.425) 21.683,126.143 21.683,123.567 27.125,118.125 54.925,118.125 55.712,117.338 55.712,115.962 55.675,115.925 J14.A165@55.675,115.25
  BottomLayer w0.25: v1(21.4,126.425) 20.915,126.91 20.915,128.785 21.365,129.235 U15.3@22.08,129.235
ETH0_B_N: J14.A157 L11.6 U15.4 | length 46.6
  TopLayer w0.25: L11.6@25.36,128 v1(25.36,126.425) 25.078,126.143 25.078,123.624 28.776,119.925 56.601,119.925 57.637,118.889 57.637,115.962 57.675,115.925 J14.A157@57.675,115.25
  BottomLayer w0.25: U15.4@24.68,129.235 25.395,129.235 25.845,128.785 25.845,126.91 v1(25.36,126.425)
ETH0_B_P: J14.A159 L11.5 U15.6 | length 43.7
  TopLayer w0.25: L11.5@24.37,128 v1(24.37,126.425) 24.653,126.143 24.653,123.447 28.6,119.5 56.425,119.5 57.212,118.713 57.212,115.962 57.175,115.925 J14.A159@57.175,115.25
  BottomLayer w0.25: v1(24.37,126.425) 24.37,127.085 24.62,127.335 U15.6@24.68,127.335